# Altium PCB Lay-51943_B.brd.PcbDoc (part 2 of 8) (continued)
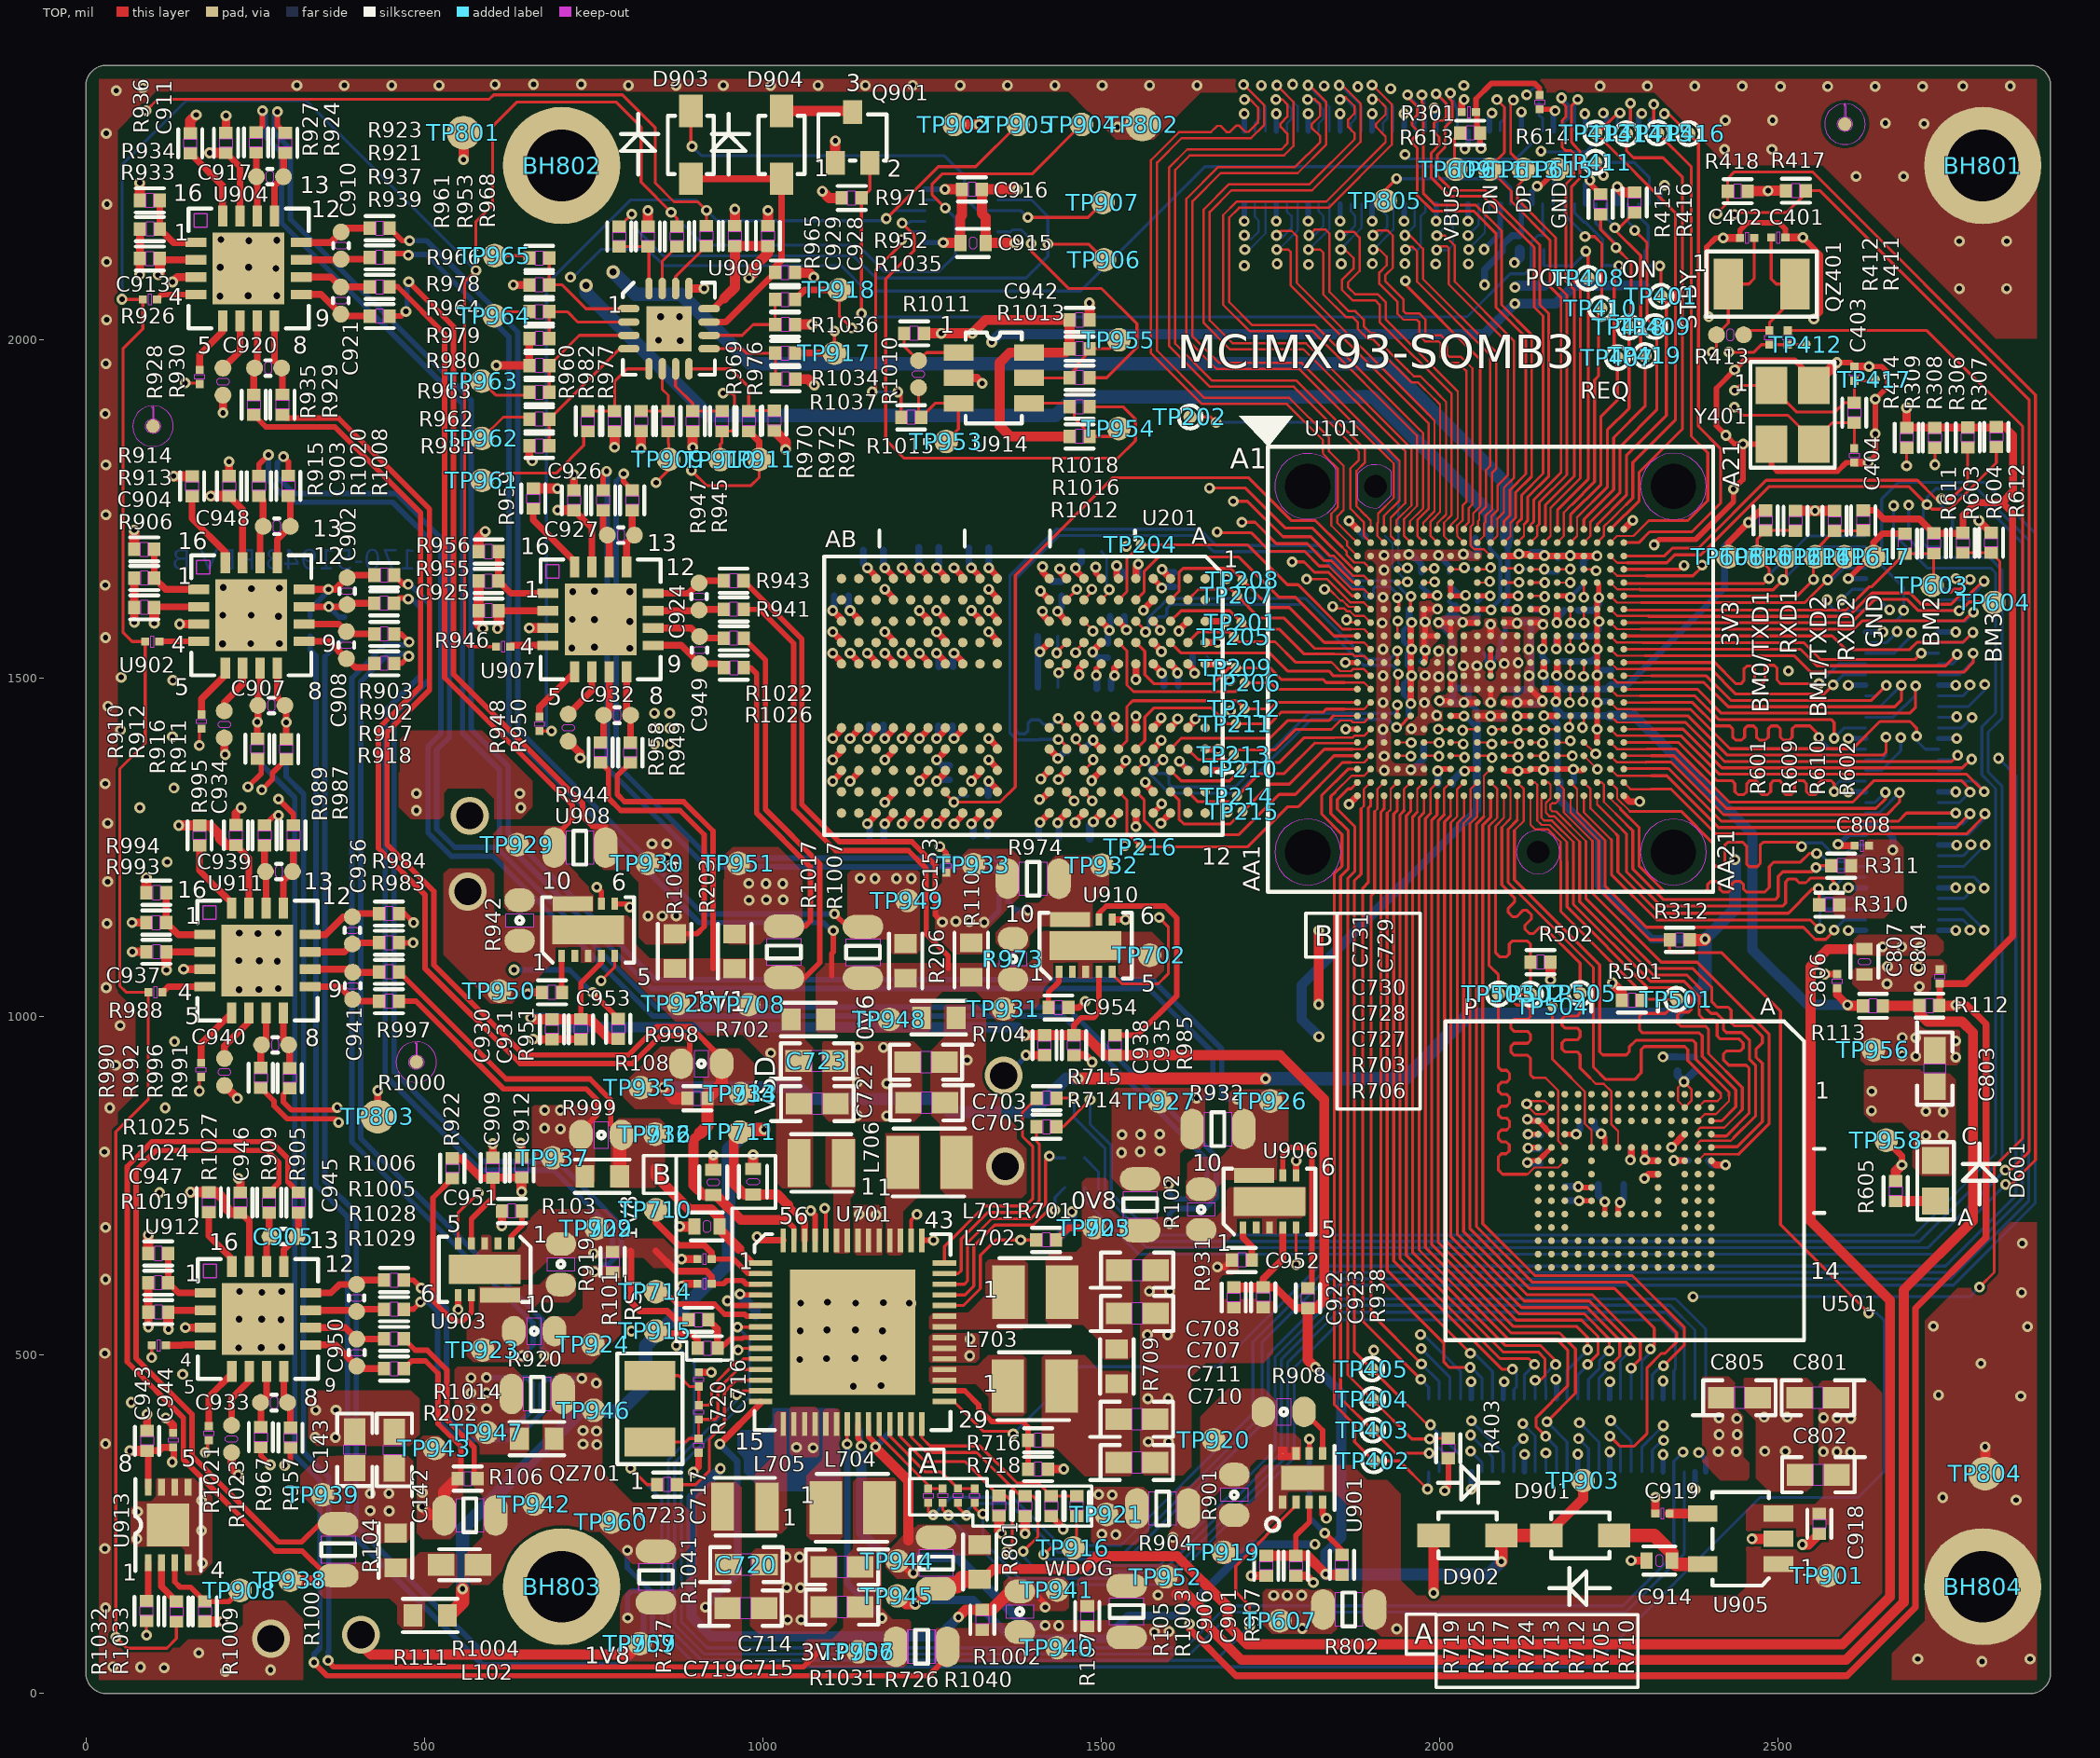
[diagram p0: TOP view]
## Part data (continued)
L102: library part BEAD_0, "IND FER BEAD 120OHM@100MHZ 2A 25% 0603", AGILE_PN=180-78419, CAD_APPROVED=Yes, CLASS=DISCRETE, FPLIST=IND_0603,0603_CC, Height=0.95MM, MFG_NAME01=MURATA, MFG_PN01=BLM18PG121SN1D, PCB Footprint=IND_0603, RoHS=Yes
L701 L702 L703 L704: library part INDUCTOR, "IND PWR 0.47uH@1MHZ 4.7A 20% SMT", Temp Range="-40¡ãC to +125¡ãC", Tolerance=20%, AGILE_PN=180-78647, CAD_APPROVED=Yes, CLASS=DISCRETE, Height=1.2MM, MFG_NAME01="SHENZHEN SUNLORD ELECTRONICS CO., LTD", MFG_PN01=WPN252012ER47MT, PART_TYPE=INDUCTOR\POWER, PCB Footprint=ind_sph2520, RoHS=Yes, Temp_Range="-40¡ãC to +125¡ãC", TOL=20%
L705 L706: library part INDUCTOR, "IND PWR 0.47uH@1MHz 3.4A 20% 2016", Package Size="2x1.6x1.2 mm", Temp Range="-40¡ãC to 125¡ãC", Tolerance=20%, AGILE_PN=180-78995, CAD_APPROVED=Yes, CLASS=DISCRETE, Height=1.2MM, MFG_NAME01="SHENZHEN SUNLORD ELECTRONICS CO., LTD", MFG_PN01=WPN201612HR47MT, PART_TYPE=INDUCTOR\POWER, PCB Footprint=IND_2016A, RoHS=Yes, Temp_Range="-40¡ãC to 125¡ãC"
MG1: library part CMP-00053-1, "PCB Graphic Symbol - Do Not Dispose Of In Garbage (Environmental Symbol)"
Q901: library part NX3008NBKW_SOT323, "TRAN NMOS SW 30V 350mA AEC-Q101 SC-70", AGILE_PN=480-79736, CAD_APPROVED=Yes, CLASS=IC, Height=1.1MM, MFG_NAME01=NEXPERIA, MFG_PN01=NX3008NBKW,115, PCB Footprint=sc70_3, RoHS=Yes
QZ401 QZ701: library part XTAL, "XTAL 32.768KHZ 12.5PF 20PPM 3.2X1.5MM SMT", AGILE_PN=230-77653, CAD_APPROVED=Yes, CLASS=IC, Height=0.9MM, MFG_NAME01="Abracon Corporation", MFG_PN01=ABS07-32.768KHZ-T, PCB Footprint=XTAL2-3P2X1P5-SM, RoHS=Yes
R101 R105 R106 R107 R108 R112 R113 R210 R701 R706 R707 R708 R710 R711 R714 R715 R716 R718 R723 R902 R903 R905 R909 R911 R916 R917 R918 R921 R923 R924 R927 R929 R935 R937 R939 R941 R943 R945 R947 R949 R957 R958 R960 R961 R962 R963 R964 R965 R966 R967 R968 R969 R970 R972 R983 R984 R987 R989 R991 R996 R997 R1000 R1005 R1006 R1008 R1015 R1016 R1018 R1020 R1022 R1026 R1028 R1029 R1032 R1033 R1034 R1035 R1042 R1043 R1044 R1045: library part RES, "RES MF ZERO OHM 1/16W 5% 0402", Tolerance=5%, Voltage=1/16W, AGILE_PN=470-75394, CAD_APPROVED=Yes, CLASS=DISCRETE, FPLIST=RC0402_25,RC0402_HD,RC0402_X2,0402_CC, Height="0.45 MM", MFG_NAME01="YAGEO AMERICA", MFG_PN01=RC0402JR-070RL, PCB Footprint=0402_CC, RoHS=Yes
  R101 R105 R106 R107 R108 R711 R716 R902 R903 R911 R916: ASSY_OPT=DNP
R102 R726 R727 R802: library part RES, "RES MF ZERO OHM 1/8W -- 0805", Temp Range="¨C55 ¡ãC to +155 ¡ãC", Tolerance=5%, AGILE_PN=470-75442, ASSY_OPT=DNP, CAD_APPROVED=Yes, CLASS=DISCRETE, FPLIST=RC0805_OV,RC0805,RC0805_OV_3P,0805_CC, Height="0.7 MM", MFG_NAME01="YAGEO AMERICA", MFG_PN01=RC0805JR-070RL, PCB Footprint=RC0805_OV, RoHS=Yes
R103 R104 R109 R110 R111 R202 R203 R206 R702 R704 R709 R801: library part RES, "RES MF ZERO OHM 1/10W -- 0603", Temp Range="¨C55 ¡ãC to +155 ¡ãC", AGILE_PN=470-80866, CAD_APPROVED=Yes, CLASS=DISCRETE, FPLIST=RC0603_OV,RC0603,R603-X2,0603_CC,IND_0603HP_NSP,CC0603_OV_NSP, Height=0.6MM, MFG_NAME01="WALSIN TECHNOLOGY CORP.", MFG_PN01=WR06X000PTL, PCB Footprint=0603_CC, RoHS=Yes
  R103 R104 R109 R110 R111 R202 R203 R206 R702 R801: ASSY_OPT=DNP
R201 R207 R208 R310 R311 R403 R501 R502 R602 R907 R913 R914 R915 R922 R933 R934 R936 R938 R951 R952 R953 R955 R956 R959 R971 R985 R993 R994 R995 R1011 R1012 R1013 R1024 R1025 R1027: library part RES, "RES MF 10K 1/16W 5% 0402", Tolerance=5%, AGILE_PN=470-75557, CAD_APPROVED=Yes, CLASS=DISCRETE, FPLIST=RC0402_25,RC0402_HD,0402_CC, Height="0.4 MM", MFG_NAME01="VISHAY INTERTECHNOLOGY", MFG_PN01=CRCW040210K0JNED, PCB Footprint=0402_CC, RoHS=Yes
  R207 R208 R310 R311 R501 R502 R914 R934 R956 R971 R994 R1025: ASSY_OPT=DNP
R204: library part RES, "RES MF 120 OHM 1/10W 1% AEC-Q200 0402", Temp Range="-55¡ãC ~ 155¡ãC", Tolerance=1%, Voltage=1/10W, AGILE_PN=470-82646, CAD_APPROVED=Yes, CLASS=DISCRETE, FPLIST=RC0402_25,RC0402_HD,0402_CC, Height=0.4MM, MFG_NAME01=Panasonic, MFG_PN01=ERJ-2RKF1200X, PCB Footprint=0402_CC, RoHS=Yes
R205: library part RES, "RES MF 150 OHM 1/16W 1% 0402", Tolerance=1%, AGILE_PN=470-75353, ASSY_OPT=DNP, CAD_APPROVED=Yes, CLASS=DISCRETE, FPLIST=RC0402_25,RC0402_HD,0402_CC, Height=0.4MM, MFG_NAME01="NIC COMPONENTS CORP", MFG_PN01=NRCL04F1500TRF, PCB Footprint=0402_CC, RoHS=Yes
R209: library part RES, "RES MF 240 OHM 1/20W 1% 0201", Temp Range="-55¡ãC ~ 125¡ãC", Tolerance=1%, Voltage=25V, AGILE_PN=470-81317, CAD_APPROVED=Yes, CLASS=DISCRETE, FPLIST=CC0201,CC0201_HD,0201_CC, Height=0.26MM, MFG_NAME01="YAGEO AMERICA", MFG_PN01=RC0201FR-07240RL, PCB Footprint=0201_CC, RoHS=Yes, Temp_Range="-55¡ãC ~ 125¡ãC"
R301 R304 R406 R412 R717 R719 R724 R725 R906 R910 R926 R928 R946 R948 R988 R990 R1019 R1021: library part RES, "RES MF ZERO OHM 1/20W -- 0201", AGILE_PN=470-76631, CAD_APPROVED=Yes, CLASS=DISCRETE, FPLIST=RC0201,0201_CC,RC0201_X2, Height="0.30 MM", MFG_NAME01=BOURNS, MFG_PN01=CR0201-J/-000GLF, PCB Footprint=0201_CC, RoHS=Yes
R302 R303 R305: library part RES, "RES MF 200 OHM 1/20W 1% 0201", Temp Range="-55¡ãC ~ 125¡ãC", Tolerance=1%, Voltage=25V, AGILE_PN=470-82323, CAD_APPROVED=Yes, CLASS=DISCRETE, FPLIST=RC0201,0201_CC, Height=0.26MM, MFG_NAME01="YAGEO AMERICA", MFG_PN01=RC0201FR-07200RL, PCB Footprint=0201_CC, RoHS=Yes, Temp_Range="-55¡ãC ~ 125¡ãC"
R306 R307 R308 R309 R312 R601 R603 R604 R712 R713 R975 R976 R977 R978 R979 R980 R981 R982 R1036 R1037: library part RES, "RES MF 4.7K 1/10W 5% AEC-Q200 0402", Temp Range="-55C to +155C", Tolerance=5%, Voltage=50V, AGILE_PN=470-82064, CAD_APPROVED=Yes, CLASS=DISCRETE, FPLIST=RC0402_25,RC0402_HD,0402_CC,RC0402_X2, Height=0.41mm, MFG_NAME01="KOA SPEER", MFG_PN01=RK73B1ETTP472J, PCB Footprint=0402_CC, RoHS=Yes
  R306 R307 R308 R309 R312 R712 R713: Temp_Range="-55C to +155C"
  R601 R603 R604: ASSY_OPT=DNP
R401 R404 R405 R415 R416 R417 R418 R609 R610 R611 R612 R703 R705 R1009: library part RES, "RES MF 100K 1/16W 5% 0402", Temp Range="-55C to +155C", Tolerance=5%, Voltage=50V, AGILE_PN=470-75597, CAD_APPROVED=Yes, CLASS=DISCRETE, FPLIST=RC0402_25,RC0402_HD,0402_CC, Height="0.40 MM", MFG_NAME01="VENKEL COMPANY", MFG_PN01=CR0402-16W-104JT, PCB Footprint=0402_CC, RoHS=Yes
  R401 R609 R610 R611 R612 R703: ASSY_OPT=DNP
R411: library part RES, "RES MF ZERO OHM 1/20W -- 0201", Tolerance=5%, AGILE_PN=470-76631, ASSY_OPT=DNP, CAD_APPROVED=Yes, CLASS=DISCRETE, FPLIST=RC0201,0201_CC,RC0201_X2, Height="0.30 MM", MFG_NAME01=BOURNS, MFG_PN01=CR0201-J/-000GLF, PCB Footprint=0201_CC, RoHS=Yes
R413: library part RES, "RES MF 4.7M  1/16W 1% 0402", Temp Range="-55¡ãC ~ 155¡ãC", Tolerance=1%, Voltage=50V, AGILE_PN=470-31250, ASSY_OPT=DNP, CAD_APPROVED=Yes, CLASS=DISCRETE, FPLIST=RC0402_25,RC0402_HD,0402_CC, Height="0.40 MM", MFG_NAME01="YAGEO AMERICA", MFG_PN01=RC0402FR-074M7L, PCB Footprint=RC0402_25, RoHS=Yes
R414: library part RES, "RES MF 510K 1/16W 5% 0402", Tolerance=5%, AGILE_PN=470-76166, ASSY_OPT=DNP, CAD_APPROVED=Yes, CLASS=DISCRETE, FPLIST=RC0402_25,RC0402_HD,0402_CC, Height="0.4 MM", MFG_NAME01=PANASONIC, MFG_PN01=ERJ-2GEJ514X, PCB Footprint=0402_CC, RoHS=Yes
R605: library part RES, "RES MF 1.0K 1/16W 1% 0402", Tolerance=1%, Voltage=1/16W, AGILE_PN=470-76037, CAD_APPROVED=Yes, CLASS=DISCRETE, FPLIST=RC0402_25,RC0402_HD,RC0402_X2,0402_CC, Height=0.4MM, MFG_NAME01="YAGEO AMERICA", MFG_PN01=RC0402FR-071KL, PCB Footprint=0402_CC, RoHS=Yes
R613: library part RES, "RES MF 30K 1/10W 1% AEC-Q200 0402", Temp Range="-55C to +155C", Tolerance=1%, Voltage=50V, AGILE_PN=470-81708, CAD_APPROVED=Yes, CLASS=DISCRETE, FPLIST=RC0402_25,RC0402_HD,0402_CC, Height="0.40 MM", MFG_NAME01="KOA SPEER", MFG_PN01=RK73H1ETTP3002F, PCB Footprint=0402_CC, RoHS=Yes
R614: library part RES, "RES MF 52.3K OHM 1% 1/20W 0201", Temp Range="-55&#8451; to 125&#8451;", Tolerance=1%, AGILE_PN=470-81464, CAD_APPROVED=Yes, CLASS=DISCRETE, FPLIST=RC0201,0201_CC, Height=0.26MM, MFG_NAME01="YAGEO AMERICA", MFG_PN01=RC0201FR-0752K3L, PCB Footprint=0201_CC, RoHS=Yes
R720: library part RES, "RES MF 1.0M 1/20W 5% AEC-Q200 0201", Temp Range="55¡ãC ~ 125¡ãC", Tolerance=5%, Voltage=25V, AGILE_PN=470-79975, ASSY_OPT=DNP, CAD_APPROVED=Yes, CLASS=DISCRETE, FPLIST=RC0201,0201_CC, Height=0.26MM, MFG_NAME01=PANASONIC, MFG_PN01=ERJ-1GNJ105C, PCB Footprint=0201_CC, RoHS=Yes, Temp_Range="55¡ãC ~ 125¡ãC"
R901 R999: library part RES, "RES MF 0.4 OHM 1/10W 1% AEC-Q200 0603", Temp Range="-55¡ãC to +155¡ãC", Tolerance=1%, AGILE_PN=470-81316, CAD_APPROVED=Yes, CLASS=DISCRETE, FPLIST=RC0603_OV,RC0603,R603-X2,0603_CC, Height=0/55MM, MFG_NAME01=YAGEO, MFG_PN01=RL0603FR-070R4L, PCB Footprint=RC0603_OV, RoHS=Yes
R904 R932 R1040 R1041: library part RES, "RES MF 0.02OHM 1/4W 0.5% 0805", Tolerance=0.5%, AGILE_PN=470-79241, CAD_APPROVED=Yes, CLASS=DISCRETE, FPLIST=RC0805_OV,RC0805,0805_CC, Height=0.46MM, MFG_NAME01="VISHAY INTERTECHNOLOGY", MFG_PN01=WSL0805R0200DEA18, PCB Footprint=RC0805_OV, RoHS=Yes
R908: library part RES, "RES MF 1.0K 1/10W 5% 0603", Tolerance=5%, AGILE_PN=470-75412, CAD_APPROVED=YES, CLASS=DISCRETE, FPLIST=RC0603_OV,RC0603,0603_CC, Height=0.6MM, MFG_NAME01="VENKEL COMPANY", MFG_PN01=CR0603-10W-102JT, PCB Footprint=RC0603_OV, RoHS=Yes
R912: library part RES, "RES MF 499 OHM 1/16W 1% 0402", Tolerance=1%, AGILE_PN=470-30807, CAD_APPROVED=Yes, CLASS=DISCRETE, FPLIST=RC0402_25,RC0402_HD,0402_CC, Height="0.40 MM", MFG_NAME01=ROHM, MFG_PN01=MCR01MZPF4990, PCB Footprint=RC0402_25, RoHS=Yes
R919: library part RES, "RES MF 499 OHM 1/10W 0.1% AEC-Q200 0603", Package Type="PCB Mount", Temp Range="-55¡ãC ~ 155¡ãC", Tolerance=0.1%, 3D_Mechanical_Footprint_File=ftp://fcl.am.freescale.net/ALLEGRO/step/rc0603_ov.STEP, AGILE_PN=470-82950, CAD_APPROVED=Yes, CLASS=DISCRETE, FPLIST=RC0603_OV,RC0603,0603_CC, Height="0.55 MM", MFG_NAME01="KOA Speer", MFG_PN01=RN73R1JTTD4990B25, PCB Footprint=RC0603_OV, RoHS=Yes
R920: library part RES, "RES MF 10 OHM 1/16W 0.1% 0603", Temp Range="-55C to +155C", Tolerance=0.1%, AGILE_PN=470-82209, CAD_APPROVED=Yes, CLASS=DISCRETE, FPLIST=RC0603_OV,RC0603,0603_CC, Height=0.55MM, MFG_NAME01="TE CONNECTIVITY LTD", MFG_PN01=CPF0603B10RE1, PCB Footprint=RC0603_OV, RoHS=Yes
R930: library part RES, "RES TF 806 OHM 1% 1/10W AEC-Q200 0402", Tolerance=1%, AGILE_PN=470-81001, CAD_APPROVED=Yes, CLASS=DISCRETE, FPLIST=RC0402_25,RC0402_HD,0402_CC, Height=0.4MM, MFG_NAME01=PANASONIC, MFG_PN01=ERJ-2RKF8060X, PCB Footprint=RC0402_25, RoHS=Yes
R931 R998: library part RES, "RES MF 1.00 OHM 1/10W 1% 0603", Tolerance=1%, AGILE_PN=470-30469, CAD_APPROVED=Yes, CLASS=DISCRETE, FPLIST=RC0603_OV,RC0603,0603_CC, Height="0.55 MM", MFG_NAME01="YAGEO AMERICA", MFG_PN01=RC0603FR-071RL, PCB Footprint=RC0603_OV, RoHS=Yes
R942 R973: library part RES, "RES MF 2.0 OHM 1/8W 1% AEC-Q200 0603", Temp Range="-55¡ãC to +155¡ãC", Tolerance=1%, AGILE_PN=470-81851, CAD_APPROVED=Yes, CLASS=DISCRETE, FPLIST=RC0603_OV,RC0603,0603_CC, Height=0.55MM, MFG_NAME01="KOA SPEER", MFG_PN01=RK73H1JTTD2R00F, PCB Footprint=RC0603_OV, RoHS=Yes
R944 R974: library part RES, "RES MF 0.05OHM 1/4W 1% 0805", Tolerance=1%, AGILE_PN=470-79239, CAD_APPROVED=Yes, CLASS=DISCRETE, FPLIST=RC0805_OV,RC0805,0805_CC, Height=0.46MM, MFG_NAME01="VISHAY INTERTECHNOLOGY", MFG_PN01=WSL0805R0500FEA18, PCB Footprint=RC0805_OV, RoHS=Yes
R950: library part RES, "RES MF 1.27K  1/10W 1% AEC-Q200 0402", Temp Range="-55¡ãC to +155¡ãC", Tolerance=1%, Voltage=50V, AGILE_PN=470-30846, CAD_APPROVED=Yes, CLASS=DISCRETE, FPLIST=RC0402_25,RC0402_HD,0402_CC, Height="0.40 MM", MFG_NAME01="KOA SPEER", MFG_PN01=RK73H1ETTP1271F, PCB Footprint=RC0402_25, RoHS=Yes
R992: library part RES, "RES MF 2.05K  1/10W 1% AEC-Q200 0402", Temp Range="-55C to +155C", Tolerance=1%, Voltage=50V, AGILE_PN=470-30868, CAD_APPROVED=Yes, CLASS=DISCRETE, FPLIST=RC0402_25,RC0402_HD,0402_CC, Height="0.40 MM", MFG_NAME01="KOA SPEER", MFG_PN01=RK73H1ETTP2051F, PCB Footprint=RC0402_25, RoHS=Yes
R1001 R1007 R1014: library part RES, "RES 0.25 OHM 1% 1/8W 0805", Package Size="0805 (2012 Metric)", Temp Range="-55 ¡ãC to +125 ¡ãC", Tolerance=1%, AGILE_PN=470-82521, CAD_APPROVED=Yes, CLASS=DISCRETE, FPLIST=RC0805_OV,RC0805,0805_CC, Height=0.6MM, MFG_NAME01=Yageo, MFG_PN01=RL0805FR-070R25L, PCB Footprint=RC0805_OV, RoHS=Yes
R1002: library part RES, "RES MF 4.99 OHM 0.1% 1/16W 0603", Package Size="0603 (1608 Metric)", Temp Range="-55¡ãC ~ 155¡ãC", Tolerance=0.1%, AGILE_PN=470-82515, CAD_APPROVED=Yes, CLASS=DISCRETE, FPLIST=RC0603_OV,RC0603,0603_CC, Height=0.55MM, MFG_NAME01="TE CONNECTIVITY LTD", MFG_PN01=CPF0603B4R99E1, PCB Footprint=RC0603_OV, RoHS=Yes
R1003 R1004 R1017 R1031: library part RES, "RES MF 0.1 OHM 1/4W 1% AEC-Q200 0805", Temp Range="-65¡ã C to +170¡ã C", Tolerance=1%, AGILE_PN=470-82403, CAD_APPROVED=Yes, CLASS=DISCRETE, FPLIST=RC0805_OV,RC0805,0805_CC, Height=0.584MM, MFG_NAME01="VISHAY INTERTECHNOLOGY", MFG_PN01=WSL0805R1000FEA18, PCB Footprint=RC0805_OV, RoHS=Yes
R1010: library part RES, "RES MF 2.2K 1/16W 5% 0402", Tolerance=5%, AGILE_PN=470-75636, CAD_APPROVED=Yes, CLASS=DISCRETE, FPLIST=RC0402_25,RC0402_HD,0402_CC, Height="0.4 MM", MFG_NAME01=BOURNS, MFG_PN01=CR0402-JW-222GLF, PCB Footprint=RC0402_25, RoHS=Yes
R1023: library part RES, "RES MF 3.24K 1/16W 1% 0402", Temp Range="-55¡ãC to +175¡ãC", Tolerance=1%, AGILE_PN=470-76185, CAD_APPROVED=Yes, CLASS=DISCRETE, FPLIST=RC0402_25,RC0402_HD,0402_CC, Height=0.45MM, MFG_NAME01=SMEC, MFG_PN01=RC73A2Z3241FTF, PCB Footprint=RC0402_25, RoHS=Yes
TP201 TP204 TP205 TP206 TP207 TP208 TP209 TP210 TP211 TP212 TP213 TP214 TP215 TP216 TP412 TP417 TP504: library part TESTLOOP, "TEST POINT PAD 15MIL DIA SMT, NO PART TO ORDER", AGILE_PN=211-76645, CAD_APPROVED=Yes, CLASS=IO, Height=0.1MM, MFG_NAME01=NOTACOMPONENT, MFG_PN01=NOTACOMPONENT, PCB Footprint=TPAD_015, RoHS=Yes
  TP412 TP417 TP504: ASSY_OPT=DNP
TP202 TP401 TP402 TP403 TP404 TP405 TP407 TP408 TP409 TP410 TP411 TP413 TP414 TP415 TP416 TP418 TP419 TP501 TP502 TP503 TP505: library part TESTLOOP, "TEST POINT PAD 0.5MM DIA SMT, NO PART TO ORDER", AGILE_PN=211-77484, ASSY_OPT=DNP, CAD_APPROVED=Yes, CLASS=IO, Height=0.1MM, PCB Footprint=tpad_020, RoHS=Yes
TP603 TP604 TP607 TP608 TP609 TP610 TP611 TP612 TP613 TP614 TP615 TP616 TP617 TP702 TP703 TP706 TP707 TP708 TP709 TP710 TP711 TP712 TP713 TP714 TP805 TP901 TP902 TP903 TP904 TP905 TP906 TP907 TP908 TP909 TP910 TP911 TP915 TP916 TP917 TP918 TP919 TP920 TP921 TP922 TP923 TP924 TP925 TP926 TP927 TP928 TP929 TP930 TP931 TP932 TP933 TP934 TP935 TP936 TP937 TP938 TP939 TP940 TP941 TP942 TP943 TP944 TP945 TP946 TP947 TP948 TP949 TP950 TP951 TP952 TP953 TP954 TP955 TP956 TP957 TP958 TP959 TP960 TP961 TP962 TP963 TP964 TP965: library part "T POINT R", "TEST POINT PAD .035 SMT, no part to order", AGILE_PN=510-75618, CAD_APPROVED=Yes, CLASS=IC, Height=0.1MM, PCB Footprint=testpoint_35mil, RoHS=Yes
  TP603 TP604 TP607 TP608 TP609 TP610 TP611 TP612 TP613 TP614 TP615 TP616 TP617 TP702 TP703 TP706 TP707 TP708 TP709 TP710 TP711 TP712 TP713 TP714 TP805: ASSY_OPT=DNP
TP801 TP802 TP803 TP804: library part TESTLOOP, "TEST POINT PAD 50MIL DIA SMT, NO PART TO ORDER", AGILE_PN=211-76644, ASSY_OPT=DNP, CAD_APPROVED=Yes, CLASS=IO, Height=0.1MM, MFG_NAME01=NOTACOMPONENT, MFG_PN01=NOTACOMPONENT, PCB Footprint=TPAD_050, RoHS=Yes
U101: library part MIMX9352DVNxLAA, "SUBASSEMBLY SKT 306 BGA ELASTOMER SMT 0.5MM 395H AU + IC CPU 1.7GHz -- FCBGA306", AGILE_PN=750-78710, CAD_APPROVED=Yes, CLASS=IC, FPLIST=skt_bga306_0p5_sq16p23_elast,skt_bga306_0p5_sq16p23_elast_nsp, Height=10.03MM, Manufacturer Part Number=MIMX9352CVVMAB, MFG_NAME01=SUBASSEMBLY, MFG_PN01=211-81728,330-77207, PCB Footprint=skt_bga306_0p5_sq16p23_elast_nsp, RoHS=Yes
U201: library part MT53B768M32D4NQ_200P, "IC MEM LPDDR4/LPDDR4X SDRAM 1GX16 1.1V AEC-Q100 TFBGA200", Temp Range="-40C to +105C¡ãC", Voltage=1.1V, AGILE_PN=334-77894, CAD_APPROVED=Yes, CLASS=IC, Height=0.95MM, MFG_NAME01=MICRON, MFG_PN01="MT53E1G16D1FW-046 AAT:A", PCB Footprint=bga200_0p65x0p8_10x14p5, PRE_APN=334-77894, RoHS=Yes, SPLIT_INST=TRUE, SWAP_INFO=(S1+S2), Temp_Range="-40C to +105C¡ãC"
U501: library part SDINBDA6_32G_I_VFBGA_153P, "IC MEM NAND FLASH 16GB MMC 5.1 CTLR 2.7-3.6V FBGA153", Temp Range="-25¡ãC to 85¡ãC", AGILE_PN=342-00870, CAD_APPROVED=Yes, CLASS=IC, Height=1MM, MFG_NAME01="SANDISK CORPORATION", MFG_PN01=SDINBDA6-16G-I, PCB Footprint=fbga153_0p5_11p5x13, RoHS=Yes
U701: "IC POWER MANAGEMENT 2.7-5.5V HVQFN56", Package Size=7x7, 3D_Mechanical_Footprint_File=ftp://fcl.am.freescale.net/ALLEGRO/step/hvqfn56_0p4_7x7_ep4p7mm.step, AGILE_PN=TMP-CIP-8249, CAD_APPROVED=Yes, CLASS=IC, Height=1MM, MFG_NAME01="NXP SEMICONDUCTORS", MFG_PN01=PCA9451AHNY, PCB Footprint=hvqfn56_0p4_7x7_ep4p7mm, PRE_APN=315-83273, RoHS=Yes, SPLIT_INST=TRUE, SWAP_INFO=(S1+S2+S3)
U901: library part DML3006LFDS-7_A_0, "IC LOAD SW 0.5-13.5V 10.5A 3-5.5V DFN2020-8", Package Size="8-VFDFN Exposed Pad", Supply Voltage=3-5.5V, Temp Range="-40¡ãC to +85¡ãC", 3D_Mechanical_Footprint_File=ftp://fcl.am.freescale.net/ALLEGRO/step/dfn2020_0p5_sq2.STEP, AGILE_PN=315-83392, CAD_APPROVED=Yes, CLASS=IC, Height=0.9MM, MFG_NAME01="DIODES INC", MFG_PN01=DML3006LFDS-7, PCB Footprint=dfn2020_0p5_sq2, RoHS=Yes, Voltage=3-5.5V
U902 U904 U907 U911 U912: library part PAC1934_UQFN16_A, "IC MULTI CHANNEL POWER/ENERGY MONITOR  2.7-5.5V UQFN16", 3D_Mechanical_Footprint_File=ftp://fcl.am.freescale.net/ALLEGRO/step/qfn16_0p65_4X4_a.step, AGILE_PN=312-82072, CLASS=IC, MFG_NAME01="MICROCHIP TECHNOLOGY INC", MFG_PN01=PAC1934T-I/JQ, PCB Footprint=qfn16_0p65_4X4_a
U903 U906 U908 U910: library part TPS22990NDMLT_WSON10_2, "IC LOAD SWITCH 10A 2.5-5.5V WSON10", Temp Range="-40¡ãC ~ 105¡ãC", Voltage=2.5-5.5V, 3D_Mechanical_Footprint_File=ftp://fcl.am.freescale.net/ALLEGRO/step/wson10_0p5_2p1x3p1.STEP, AGILE_PN=315-82218, CAD_APPROVED=Yes, CLASS=IC, Height=0.8MM, MFG_NAME01="TEXAS INSTRUMENTS", MFG_PN01=TPS22990NDMLT, PCB Footprint=wson10_0p5_2p1x3p1, RoHS=Yes
U905: library part RT9193-33PB, "IC VREG LDO 3.3V 300MA SOT-23-5", 3D_Mechanical_Footprint_File=sot23-5, AGILE_PN=315-76265, CAD_APPROVED=Yes, CLASS=IC, Height=1.295MM, MFG_NAME01=RICHTEK, MFG_PN01=RT9193-33PB, PCB Footprint=sot23-5, RoHS=Yes
U909: library part ADP5585ACPZ_LFCSP16_A, "IC I/O EXPANDER I2C 1.65-3.6V LFCSP16", Package Size=LFCSP-16, Supply Voltage="1.8 V to 3 V", Temp Range="-40¡ã C to + 85¡ãC", AGILE_PN=312-83328, CAD_APPROVED=Yes, CLASS=IC, Height=0.8MM, MFG_NAME01="Analog Devices", MFG_PN01=ADP5585ACPZ-00-R7, PCB Footprint=lfcsp_16_0p5_3x3_a, RoHS=Yes
U913: library part "PCT2075 _SON8_EP", "IC I2C DIGITAL TEMP SENSOR AND THERMAL WDG 2.7-5.5V HWSON8", Voltage=2.7-5.5V, 3D_Mechanical_Footprint_File=ftp://fcl.am.freescale.net/ALLEGRO/step/hwson8_0p5_3p1x2p1.STEP, AGILE_PN=312-81267, CAD_APPROVED=Yes, CLASS=IC, Height="0.8 MM", MFG_NAME01="NXP SEMICONDUCTORS", MFG_PN01=PCT2075TP,147, PCB Footprint=hwson8_0p5_3p1x2p1, RoHS=Yes
U914: library part 93AA56BT_SOT23-6, "IC MEM EEPROM SERIAL 2K 16BIT 2.5-5.5V SOT23-6", Temp Range="-40C to +85C", Voltage=2.5-5.5V, AGILE_PN=334-77717, CAD_APPROVED=Yes, CLASS=IC, Height=1.45MM, MFG_NAME01="MICROCHIP TECHNOLOGY INC", MFG_PN01=93LC56BT-I/OT, PCB Footprint=sot23-6, RoHS=Yes
Y401: library part XTAL_13, "XTAL 24MHZ 9pF -- SMT 3.2X2.5MM", AGILE_PN=230-77392, CAD_APPROVED=Yes, CLASS=IC, Height=0.60MM, MFG_NAME01="EPSON TOYOCOM CORPORATION", MFG_PN01="TSX-3225 24.0000MF15X-AC3", PCB Footprint=xtlosc4_3p2x2p5mm_sm, RoHS=Yes

## Free pads (board coordinates)
  round 20 smd paste-99999 mask+5: ""(99.1,1872.72) ""(488.31,933.08) ""(2599.36,2319.04)
  round 60 smd far side: ""(109.22,1871.88) ""(666.82,666.4) ""(2569.8,2318.92)

## Via types
v1: diameter 16, hole 8, TOP to BOTTOM, tented both sides, 1003 vias
v2: diameter 20, hole 10, TOP to BOTTOM, tented both sides, 66 vias
v3: diameter 16, hole 8, TOP to BOTTOM, tented bottom, 63 vias
v4: diameter 56, hole 40, TOP to BOTTOM, 6 vias

## Nets (pads, with @x,y where several pads share a name; then routed paths per layer and width w, separated by ;. In a path a pad name is that pad's centre, name@x,y a point inside that pad or via, vN(x,y) a via of type N, cw(c..) or ccw(c..) an arc to the next point about the centre after c; other vN are vias at no path point)
ADC_IN0: J802.72 TP413.1 U101.B19 | length 778.4
  TOP w3.2: U101.B19@2233.2,1700.65 2242.95,1710.4 2242.95,1724.19 2252.67,1733.91 2253.04,1733.91 2275.66,1756.53
  TOP w4.4: v3(2266.94,2335.63) 2264.07,2335.63 2234.19,2305.75 TP413.1@2231.11,2305.75 2348.66,2188.2 2348.66,1881.79 2285.85,1818.98 2285.85,1766.72 2275.66,1756.53
  BOTTOM w4.4: J802.72@2262.93,2308.9 2262.93,2331.62 v3(2266.94,2335.63)
ADC_IN1: J802.74 TP414.1 U101.A20 | length 778.6
  TOP w4.4: U101.A20@2252.89,1720.33 2295.25,1762.69 2295.25,1804.81 2359.27,1868.83 2359.27,2240.48 2330.34,2269.41 2286.88,2269.41 2276.55,2279.74 TP414.1@2276.55,2304.66 2276.55,2316.08 2282.33,2321.86 v3(2282.33,2349.92)
  BOTTOM w4.4: J802.74@2278.68,2308.9 2278.68,2324.48 2282.68,2328.48 2282.68,2349.57 v3(2282.33,2349.92)
ADC_IN2: J802.78 TP415.1 U101.B20 | length 830.2
  TOP w3: U101.B20@2252.89,1700.65 2262.64,1710.4 2286.96,1710.4 2290.45,1713.89
  TOP w4.1: 2290.45,1713.89 2309.71,1733.15 2313.43,1733.15
  TOP w4.4: 2313.43,1733.15 2366.9,1733.15 2396.59,1762.84 2396.59,1833.58 2372.27,1857.9 2372.27,2255.99 TP415.1@2322.32,2305.94 2316.85,2311.41 v3(2316.85,2348.33)
  BOTTOM w4.4: J802.78@2310.18,2308.9 2310.18,2323.64 2316.85,2330.31 v3(2316.85,2348.33)
ADC_IN3: J802.80 TP416.1 U101.B21 | length 809
  TOP w4.4: U101.B21@2272.57,1700.65 2290.21,1700.65 2294.85,1700.71 2310.83,1716.69 2373.49,1716.69 2415.48,1758.68 2415.48,1839.84 2383.06,1872.26 2383.06,2290.33 TP416.1@2368.41,2304.98 2339.03,2334.36 v3(2332.53,2334.36)
  BOTTOM w4.4: J802.80@2325.93,2308.9 2325.93,2327.76 v3(2332.53,2334.36)
BB_VSYS_5V: C801.1 C802.1 C918.1 J801.1 J801.2 J801.3 J801.4 J801.5 J801.6 J801.7 J801.8 J801.9 J801.10 R802.2 R901.1 R911.1 TP901.1 TP919.1 U901.1 U901.8 U905.1 U905.3 | length 3122.1
  TOP w8: v1(260.04,1335.27) 275.63,1350.86 275.63,1360.19 R911.1@296.09,1380.65
  L3_INT_1 w8: v1(260.04,1335.27) 260.04,1343.39 246.59,1356.84 219.84,1356.84 193.47,1330.47 193.47,266.52 302.16,157.83 434.98,157.83 568.81,24 1843.5,24 1876.13,56.63 1876.13,96.79 1886.3,106.96 1925.59,106.96 v1(1937.04,95.51)
  other v1: 2607.64,356.54 2567.41,357.34 2587.41,357.29 2607.9,406.77 2567.67,407.57 2587.67,407.52
CLKIN1: J802.67 R415.1 TP418.1 U101.B17 | length 617.9
  TOP w3.2: U101.B17@2193.83,1700.65 2203.58,1710.4 2203.58,1738.04
  TOP w4.4: 2203.58,1738.04 2248.18,1782.64 2248.18,1866.95 2280.24,1899.01 TP418.1@2280.24,2019.11 2283.47,2022.34 2283.47,2114.01 v3(2260.83,2136.65) 2260.83,2140.74 2238.2,2163.37 R415.1@2238.2,2185.96
  BOTTOM w4.4: J802.67@2231.44,2201.2 2231.44,2172.26 2260.83,2142.87 v3(2260.83,2136.65)
CLKIN2: J802.69 R416.1 TP419.1 U101.A18 | length 580.5
  TOP w4.4: U101.A18@2213.52,1720.33 2213.62,1720.43 2213.62,1734.77 2257.58,1778.73 2257.58,1855.74 2304.02,1902.18 TP419.1@2304.02,1977.03 2297.44,1983.61 2297.44,2124.6 2259.31,2162.73 v3(2259.31,2165.89) 2265.67,2165.89 R416.1@2288.47,2188.69
  BOTTOM w4.4: J802.69@2247.19,2201.2 2247.19,2179.93 2259.31,2167.81 v3(2259.31,2165.89)
CLKO01: J801.79 U101.AA2 | length 936.4
  TOP w4.4: U101.AA2@1898.55,1326.63 1898.55,1312.04 1894.84,1308.33 1894.84,1198.33 1886.9,1190.39 1886.9,550.04 v1(1972.72,464.22)
  BOTTOM w4.4: v1(1972.72,464.22) 1984.14,452.8 J801.79@1984.14,435.31
CLKO02: J801.77 U101.Y3 | length 960.5
  TOP w3.2: 1904.24,1303.25 1908.38,1307.39 1908.38,1336.46 U101.Y3@1918.24,1346.32
  TOP w4.4: 1904.24,1303.25 1904.24,1184.08 1899.27,1179.11 1899.27,561.35 v1(1973.51,487.11)
  BOTTOM w4.4: v1(1973.51,487.11) 1999.89,460.73 J801.77@1999.89,435.31
CLKO03: J801.75 U101.U4 | length 1037
  TOP w3.2: U101.U4@1937.92,1405.37 1957.98,1405.37 v1(1958.32,1405.03)
  L3_INT_1 w3.6: v1(1958.32,1405.03) 1958.32,1403.65 1931.33,1376.66 1931.33,550.61 1972.22,509.72 v1(1973.24,509.72)
  BOTTOM w4.4: v1(1973.24,509.72) 2015.64,467.32 J801.75@2015.64,435.31
CLKO04: J801.73 U101.V4 | length 1013.6
  TOP w3.2: U101.V4@1937.92,1385.69 1957.15,1385.69 v1(1957.81,1385.03)
  L3_INT_1 w3.6: v1(1957.81,1385.03) 1945.17,1372.39 1945.04,1372.34 1945.04,557.85 v1(1972.19,530.7)
  BOTTOM w4.4: v1(1972.19,530.7) 1976.72,530.7 2031.39,476.03 J801.73@2031.39,435.31
CSI_CLK_N: J802.47 U101.D10 | length 630.8
  TOP w3.4: U101.D10@2056.03,1661.28 2073.09,1661.28 v1(2075.56,1663.75)
  L3_INT_1 w2.9: v3(2043.43,2133.53) 2034.88,2142.08 2028.74,2142.08 2024.17,2137.28 2024.17,1976.36 2060.71,1939.82 2060.71,1666.65 2067.53,1659.83 2071.64,1659.83 v1(2075.56,1663.75)
  BOTTOM w3.4: v3(2043.43,2133.53) 2043.43,2134.67 2067.21,2158.45 2067.21,2183.23 2073.96,2189.98 J802.47@2073.96,2201.2
CSI_CLK_P: J802.45 U101.E10 | length 634.5
  TOP w3.4: U101.E10@2056.03,1641.59 2072.99,1641.59 v1(2074.51,1643.11)
  L3_INT_1 w2.9: v3(2042.47,2154.51) 2025.47,2154.51 2024.04,2153.08 2013.17,2141.68 2013.17,1971.8 2049.71,1935.26 2049.71,1662.09 2068.69,1643.11 v1(2074.51,1643.11)
  BOTTOM w3.4: v3(2042.47,2154.51) 2058.21,2170.25 J802.45@2058.21,2201.2
CSI_D0_N: J802.41 U101.A11 | length 574.6
  TOP w3.4: v3(1995.93,2133.19) 2001.48,2138.74 2011.02,2138.74 2013.81,2135.95 2013.81,2082.51 2101.47,1994.85 2101.47,1800.53 2086.44,1785.5 2086.44,1749.11 2078.99,1741.66 2078.99,1741.38 2076.95,1739.34 2076.94,1732.05 2077.16,1731.83 2077.16,1721.77 U101.A11@2075.72,1720.33
  BOTTOM w3.4: v3(1995.93,2133.19) 2012.59,2133.19 2019.97,2140.57 2019.97,2183.23 2026.71,2189.97 J802.41@2026.71,2201.2
CSI_D0_P: J802.39 U101.B11 | length 575.4
  TOP w3: U101.B11@2075.72,1700.65 2085.76,1710.69 2085.76,1735.69
  TOP w3.4: v3(1996.25,2154.19) 2008.3,2154.19 2022.81,2139.68 2022.81,2086.24 2110.47,1998.58 2110.47,1796.8 2095.44,1781.77 2095.44,1745.38 2085.76,1735.7
  BOTTOM w3.4: v3(1996.25,2154.19) 2010.97,2168.91 J802.39@2010.97,2201.2
CSI_D1_N: J802.35 U101.A10 | length 575.5
  TOP w3.4: v3(1950.02,2133.74) 1952.04,2133.74 1955.84,2137.54 1960.64,2137.54 1966.99,2131.19 1966.99,2086.28 2075.37,1977.9 2075.37,1814.21 2069.04,1807.88 2069.04,1753.78 2058.94,1743.68 2058.94,1733.97 2057.27,1732.3 2057.27,1721.57 U101.A10@2056.03,1720.33
  BOTTOM w3.4: v3(1950.02,2133.74) 1968.58,2133.74 1972.72,2137.88 1972.72,2183.23 1979.47,2189.98 J802.35@1979.47,2201.2
CSI_D1_P: J802.33 U101.B10 | length 578.6
  TOP w3: U101.B10@2056.03,1700.65 2066.07,1710.68 2066.07,1728.8 2067.94,1730.67
  TOP w3.4: v3(1949.07,2154.72) 1956.19,2154.72 1975.99,2134.92 1975.99,2090.01 2084.37,1981.63 2084.37,1810.48 2078.04,1804.15 2078.04,1750.05 2067.94,1739.95 2067.94,1730.67
  BOTTOM w3.4: v3(1949.07,2154.72) 1963.72,2169.37 J802.33@1963.72,2201.2
DRAM_CA0_A: U101.H2 U201.H2 | length 733.2
  TOP w3.2: 1863.19,1599.36 1867.94,1599.36 1874.94,1592.36 1888.73,1592.36 U101.H2@1898.55,1582.54
  TOP w3.6: v1(1842.31,1606.33) 1845.16,1603.48 1859.07,1603.48 1863.19,1599.36
  TOP w4.1: U201.H2@1474.8,1616.01 1486.5,1627.71 v1(1486.5,1631.79)
  L3_INT_1 w3.8: v1(1486.5,1631.79) 1532.63,1585.66 1573.68,1585.66 1577.48,1589.46 1577.48,1600.12 1579.81,1602.45 1586.95,1602.45 1590.75,1598.65 1590.75,1588.24 1594.55,1584.44 1602.15,1584.44 1605.95,1588.24 1605.95,1598.65 1609.75,1602.45 1617.35,1602.45 1621.15,1598.65 1621.15,1588.24 1624.95,1584.44 1632.55,1584.44 1636.35,1588.24 1636.35,1598.65 1640.15,1602.45 1647.75,1602.45 1651.55,1598.65 1651.55,1588.24 1655.35,1584.44 1662.95,1584.44 1666.75,1588.24 1666.75,1598.65 1670.55,1602.45 1701.96,1602.45 1705.76,1598.65 1705.76,1580.01 1709.56,1576.21 1717.16,1576.21 1720.96,1580.01 1720.96,1598.65 1724.76,1602.45 1732.36,1602.45 1736.16,1598.65 1736.16,1580.01 1739.96,1576.21 1747.56,1576.21 1751.36,1580.01 1751.36,1598.65 1755.16,1602.45 1762.76,1602.45 1766.56,1598.65 1766.56,1580.01 1770.36,1576.21 1777.96,1576.21 1781.76,1580.01 1781.76,1598.65 1785.56,1602.45 1793.16,1602.45 1796.96,1598.65 1796.96,1580.01 1800.76,1576.21 1808.36,1576.21 1812.16,1580.01 1812.16,1600.47 1818.02,1606.33 v1(1842.31,1606.33)
DRAM_CA1_A: U101.G1 U201.J2 | length 692.9
  TOP w3.2: v1(1830.29,1631.86) 1837.08,1631.86 1853.94,1615 1856.89,1615 1866.13,1605.76 1875.33,1605.76 U101.G1@1878.87,1602.22
  TOP w4.1: U201.J2@1449.21,1616.01 1464.14,1630.94 v1(1464.14,1631.74)
  L3_INT_1 w3.8: v1(1464.14,1631.74) 1464.14,1644.74 1470.21,1650.81 1523.08,1650.81 1553.41,1620.48 1645.44,1620.48 1649.24,1624.28 1649.24,1669.68 1653.04,1673.48 1660.64,1673.48 1664.44,1669.68 1664.44,1624.28 1668.24,1620.48 1702.42,1620.48 1706.22,1624.28 1706.22,1664.98 1710.02,1668.78 1717.52,1668.78 1721.42,1664.88 1721.42,1624.28 1725.22,1620.48 1735.34,1620.48 1739.14,1624.28 1739.14,1627.68 1742.94,1631.48 1750.54,1631.48 1754.34,1627.68 1754.34,1624.28 1758.14,1620.48 1765.74,1620.48 1769.54,1624.28 1769.54,1627.6 1773.65,1631.71 1780.94,1631.71 1784.74,1627.91 1784.74,1624.28 1788.54,1620.48 1818.91,1620.48 v1(1830.29,1631.86)
DRAM_CA2_A: U101.F2 U201.H9 | length 1214.3
  TOP w3.2: 1836.57,1666.15 1871,1631.72 1888.74,1631.72 U101.F2@1898.55,1621.91
  TOP w4.1: v1(1463.1,1410.95) 1463.1,1407.24 U201.H9@1474.8,1395.54
  TOP w4.4: v1(1671.57,1716.57) 1676.78,1716.57 1677.89,1715.46 1721.61,1715.46 1749.26,1687.81 1800.92,1687.81 1822.58,1666.15 1836.57,1666.15
  L3_INT_1 w3.8: v1(1463.1,1410.95) 1463.1,1423.93 1459.3,1427.73 1429.68,1427.73 1423.88,1421.93 1423.88,1402.47 1419.89,1398.48 1412.95,1398.48 1409.15,1402.28 1409.15,1444.68 1405.35,1448.48 1397.75,1448.48 1393.95,1444.68 1393.95,1394.28 1390.15,1390.48 1381.82,1390.48 1378.02,1394.28 1378.02,1679.55 1407.34,1708.87 1447.27,1708.87 1456.52,1718.12 1461.9,1718.12 1472.52,1707.5 1477.9,1707.5 1483.27,1712.87 1483.27,1718.25 1472.65,1728.87 1472.65,1734.25 1478.02,1739.62 1483.4,1739.62 1494.02,1729 1499.4,1729 1504.77,1734.37 1504.77,1739.75 1494.15,1750.37 1494.15,1755.75 1499.88,1761.48 1594.88,1761.48 1639.79,1716.57 v1(1671.57,1716.57)
DRAM_CA3_A: U101.E1 U201.H10 | length 1156.6
  TOP w4.1: U201.H10@1474.8,1364.04 1488.35,1377.59 v1(1488.35,1379.97)
  TOP w4.4: v1(1708.26,1730.66) 1727.64,1730.66 1759.28,1699.02 1804.85,1699.02 1830.08,1673.79 1840.61,1673.79 1872.81,1641.59 U101.E1@1878.87,1641.59
  L3_INT_1 w3.8: v1(1488.35,1379.97) 1476.17,1367.79 1395.68,1367.79 1391.88,1363.99 1391.88,1359.28 1388.08,1355.48 1371.79,1355.48 1367.99,1359.28 1367.99,1685.91 1402.35,1720.27 1442.67,1720.27 1463.88,1741.48 1463.88,1746.86 1451.43,1759.31 1451.43,1764.69 1456.8,1770.06 1462.18,1770.06 1474.63,1757.61 1480.01,1757.61 1495.88,1773.48 1601.88,1773.48 1644.7,1730.66 1656.47,1730.66 1660.27,1734.46 1660.27,1746.47 1664.07,1750.27 1671.67,1750.27 1675.47,1746.47 1675.47,1734.46 1679.27,1730.66 v1(1708.26,1730.66)
DRAM_CA4_A: U101.E2 U201.H11 | length 1191.2
  TOP w3.2: 1838.16,1681.39 1843.2,1681.39 1873.15,1651.44 1888.7,1651.44 U101.E2@1898.55,1641.59
  TOP w4.1: U201.H11@1474.8,1332.55 1487.08,1320.27 v1(1487.08,1318.99)
  TOP w4.4: v1(1695.49,1761.87) 1716.54,1761.87 1768.99,1709.42 1810.13,1709.42 1838.16,1681.39
  L3_INT_1 w3.8: v1(1487.08,1318.99) 1470.29,1335.78 1371.57,1335.78 1359.3,1348.05 1359.3,1694.67 1410.14,1745.51 1418.64,1745.51 1433.09,1731.06 1438.47,1731.06 1443.84,1736.43 1443.84,1741.81 1429.39,1756.26 1429.39,1761.64 1456.23,1788.48 1605.88,1788.48 1631.14,1763.22 1694.14,1763.22 v1(1695.49,1761.87)
DRAM_CA5_A: U101.D1 U201.J11 | length 1150.4
  TOP w4.1: U201.J11@1449.21,1332.55 1449.21,1330.17 v1(1460.38,1319)
  TOP w4.4: v1(1660.3,1781.21) 1713.82,1781.21 1773.04,1721.99 1812.99,1721.99 1873.7,1661.28 U101.D1@1878.87,1661.28
  L3_INT_1 w3.8: v1(1460.38,1319) 1449.17,1307.79 1358.56,1307.79 1349.59,1316.76 1349.59,1705.07 1443,1798.48 1615.88,1798.48 1633.15,1781.21 v1(1660.3,1781.21)
DRAM_CK_C_A: R205.2 U101.G5 U201.J9 | length 1010.3
  TOP w4.1: v1(1436.86,1409.95) 1438.88,1409.95 1449.21,1399.62 U201.J9@1449.21,1395.54
  TOP w4.6: U101.G5@1957.58,1602.25 1957.58,1620.65 v1(1958.17,1621.24)
  BOTTOM w4.6: v1(1436.86,1409.95) 1409.19,1409.95 R205.2@1408.56,1409.32 1391.44,1409.32 1375.31,1409.33 1365.44,1419.2 1365.44,1651.59 1434.11,1720.26 1646.24,1720.26 1670.08,1696.42 1822.67,1696.42 1874.65,1644.44 1931.39,1644.44 1954.59,1621.24 v1(1958.17,1621.24)
DRAM_CK_T_A: R205.1 U101.G4 U201.J8 | length 1007.4
  TOP w4.1: v1(1436.72,1440.81) 1436.72,1439.53 U201.J8@1449.21,1427.04
  TOP w4.6: v1(1937.82,1619.2) 1940.16,1616.86 1940.16,1604.46 U101.G4@1937.92,1602.22
  BOTTOM w4.6: v1(1436.72,1440.81) 1428.04,1432.13 1415.27,1432.13 R205.1@1408.56,1438.84 1396.9,1438.84 1392.3,1434.24 1392.3,1422.93 1387.7,1418.33 1379.04,1418.33 1374.44,1422.93 1374.44,1647.86 1437.84,1711.26 1642.51,1711.26 1666.35,1687.42 1818.94,1687.42 1870.92,1635.44 1885.03,1635.44 1889.63,1630.84 1889.63,1620.74 1892.89,1617.48 1899.39,1617.48 1902.55,1620.64 1902.55,1632.63 1905.36,1635.44 1927.33,1635.44 1937.82,1624.95 v1(1937.82,1619.2)
DRAM_CKE0_A: R207.2 U101.H1 U201.J4 | length 744.9
  TOP w3.2: v1(1862.85,1586.56) 1862.85,1585.74 1866.05,1582.54 U101.H1@1878.87,1582.54
  TOP w4.1: v1(1434.68,1537.57) 1434.68,1538.49 U201.J4@1449.21,1553.02
  L3_INT_1 w3.8: v1(1434.68,1537.57) 1449.9,1552.79 1603.84,1552.79 1619.24,1537.39 1631.01,1537.39 1634.81,1541.19 1634.81,1564.65 1638.61,1568.45 1646.21,1568.45 1650.01,1564.65 1650.01,1541.19 1653.81,1537.39 1690.78,1537.39 1694.58,1541.19 1694.58,1559.22 1698.38,1563.02 1705.98,1563.02 1709.78,1559.22 1709.78,1541.19 1713.58,1537.39 1721.18,1537.39 1724.98,1541.19 1724.98,1559.22 1728.78,1563.02 1736.38,1563.02 1740.18,1559.22 1740.18,1541.19 1743.98,1537.39 1751.58,1537.39 1755.38,1541.19 1755.38,1559.22 1759.18,1563.02 1768.04,1563.02 1771.84,1559.22 1771.84,1527.28 1775.64,1523.48 1783.24,1523.48 1787.04,1527.28 1787.04,1559.22 1790.84,1563.02 1816.25,1563.02 1839.79,1586.56 v1(1862.85,1586.56)
  BOTTOM w4.4: v1(1434.68,1537.57) 1435.91,1538.8 R207.2@1435.91,1562.41
DRAM_CKE1_A: R208.2 U101.J4 U201.J5 | length 771.9
  TOP w3.2: U101.J4@1937.92,1562.85 1937.92,1584.18 v1(1938.5,1584.76)
  TOP w4.1: v1(1437.36,1508.39) 1437.36,1509.67 U201.J5@1449.21,1521.52
  L3_INT_1 w3.8: v1(1437.36,1508.39) 1451.21,1522.24 1652.08,1522.24 1655.88,1518.44 1655.88,1477.28 1659.68,1473.48 1703.99,1473.48 1707.79,1477.28 1707.79,1509.68 1711.59,1513.48 1724.36,1513.48 1728.16,1509.68 1728.16,1492.28 1731.96,1488.48 1739.56,1488.48 1743.36,1492.28 1743.36,1509.68 1747.16,1513.48 1754.76,1513.48 1758.56,1509.68 1758.56,1492.28 1762.36,1488.48 1769.96,1488.48 1773.76,1492.28 1773.76,1509.68 1777.56,1513.48 1791.24,1513.48 1845.26,1567.5 1865.47,1567.5 1896.07,1598.1 1925.16,1598.1 v1(1938.5,1584.76)
  BOTTOM w4.4: R208.2@1436.34,1486.62 1436.34,1507.37 v1(1437.36,1508.39)
DRAM_DATA0_A: TP206.1 U101.N1 U201.F4 | length 421.7
  TOP w4.4: U201.F4@1525.98,1553.02 1538.33,1540.67 1538.33,1490.14 1547.92,1480.55 1699.38,1480.55 TP206.1@1712.21,1493.38 1750.51,1493.38 1759.78,1484.11 U101.N1@1878.87,1484.11
DRAM_DATA1_A: TP209.1 U101.N2 U201.E4 | length 415.1
  TOP w3.2: 1859.75,1493.96 1888.71,1493.96 U101.N2@1898.55,1484.11
  TOP w4.4: U201.E4@1551.57,1553.02 1564.73,1539.86 1564.73,1505.52 1578,1492.25 1666,1492.25 1689.51,1515.76 TP209.1@1699.4,1515.76 1749.33,1515.76 1766.71,1498.38 1828.5,1498.38 1832.92,1493.96 1859.75,1493.96
DRAM_DATA2_A: U101.M1 U201.C4 | length 296.5
  TOP w4.4: U201.C4@1602.75,1553.02 1618.04,1537.73 1748.83,1537.73 1775.68,1510.88 1836.68,1510.88 1843.77,1503.79 U101.M1@1878.87,1503.8
DRAM_DATA3_A: TP205.1 U101.M2 U201.B4 | length 305.9
  TOP w3.2: 1840.53,1524.05 1853.7,1510.88 1869.58,1510.88 1872.34,1513.64 1888.83,1513.64 1898.55,1503.92 U101.M2@1898.55,1503.8
  TOP w4.4: U201.B4@1628.34,1553.02 1644,1568.68 1688.78,1568.68 TP205.1@1696.3,1561.16 1703.3,1554.16 1757.34,1554.16 1787.45,1524.05 1840.53,1524.05
DRAM_DATA4_A: TP207.1 U101.K1 U201.B2 | length 294
  TOP w3.2: 1815.81,1544.34 1877.7,1544.34 U101.K1@1878.87,1543.17
  TOP w4.4: U201.B2@1628.34,1616.01 1644.34,1632.01 1691.68,1632.01 TP207.1@1701.02,1622.67 1734.49,1589.2 1770.95,1589.2 1815.81,1544.34
DRAM_DATA5_A: TP208.1 U101.K2 U201.C2 | length 381
  TOP w3.2: 1871.27,1553.02 1888.7,1553.02 U101.K2@1898.55,1543.17
  TOP w4.4: U201.C2@1602.75,1616.01 1615.23,1628.49 1615.23,1656.4 1621.52,1662.69 1691.68,1662.69 TP208.1@1709.24,1645.13 1749.68,1604.69 1778.52,1604.69 1830.19,1553.02 1871.27,1553.02
DRAM_DATA6_A: U101.J1 U201.E2 | length 419.6
  TOP w4.4: U201.E2@1551.57,1616.01 1563.92,1628.36 1563.92,1658.67 1584.62,1679.37 1703.77,1679.37 1763.3,1619.84 1787.21,1619.84 1844.2,1562.85 U101.J1@1878.87,1562.85
DRAM_DATA7_A: TP204.1 U101.J2 U201.F2 | length 490.6
  TOP w3.2: 1869.7,1572.7 1888.7,1572.7 U101.J2@1898.55,1562.85
  TOP w4.1: TP204.1@1558.88,1697.48 1580.88,1697.48
  TOP w4.4: U201.F2@1525.98,1616.01 1538.35,1628.38 1538.35,1677.12 1549.61,1688.38 1549.78,1688.38 TP204.1@1558.88,1697.48 ; 1580.88,1697.48 1716.17,1697.48 1775.27,1638.38 1791.12,1638.38 1856.8,1572.7 1869.7,1572.7
DRAM_DATA8_A: U101.V1 U201.E11 | length 419.6
  TOP w4.4: U201.E11@1551.57,1332.55 1563.92,1320.2 1563.92,1289.86 1584.62,1269.16 1703.77,1269.16 1763.3,1328.69 1787.21,1328.69 1844.21,1385.69 U101.V1@1878.87,1385.69
DRAM_DATA9_A: TP216.1 U101.V2 U201.F11 | length 490.7
  TOP w3.2: 1869.7,1375.83 1888.83,1375.83 1888.83,1375.97 U101.V2@1898.55,1385.69
  TOP w4.4: U201.F11@1525.98,1332.55 1538.35,1320.18 1538.35,1271.41 1558.71,1251.05 TP216.1@1558.88,1251.05 1716.17,1251.05 1775.27,1310.15 1791.12,1310.15 1856.8,1375.83 1869.7,1375.83
DRAM_DATA10_A: TP215.1 U101.U2 U201.C11 | length 381.9
  TOP w3.2: 1871.27,1395.51 1888.83,1395.51 1888.83,1395.65 U101.U2@1898.55,1405.37
  TOP w4.4: U201.C11@1602.75,1332.55 1615.23,1320.07 1615.23,1292.13 1622.47,1284.89 1690.73,1284.89 TP215.1@1709.24,1303.4 1749.68,1343.84 1778.52,1343.84 1830.19,1395.51 1871.27,1395.51
DRAM_DATA11_A: TP214.1 U101.U1 U201.B11 | length 293
  TOP w3.2: 1815.87,1404.25 1877.75,1404.25 U101.U1@1878.87,1405.37
  TOP w4.4: U201.B11@1628.34,1332.55 1643.14,1317.75 1692.91,1317.75 TP214.1@1701.02,1325.86 1734.49,1359.33 1770.95,1359.33 1815.87,1404.25
DRAM_DATA12_A: U101.R1 U201.C9 | length 296.5
  TOP w3.2: 1843.77,1444.74 U101.R1@1878.87,1444.74
  TOP w4.4: U201.C9@1602.75,1395.54 1618.9,1411.69 1749.72,1411.69 1775.68,1437.65 1836.68,1437.65 1843.77,1444.74